# Altium PCB higgs.PcbDoc (part 5 of 25)
Units mm, origin at the board's own origin, x right, y up, seen from the top; angles counter-clockwise.
Board outline 160 x 160 mm, 15 copper layers (TOP, P1(GND), S1(V), P2(GND), S2(H), P3(GND), S3(V12/V2V5), S4(VDDR), P4(GND), S5(V), P5(GND), S6(H), P6(GND), P1(GND) (Plane1), BOT), stack 3.262 mm thick; 1283 components, 2419 nets, 11066 pads, 5487 vias.
Unrouted connection lines stored in the file: 239.
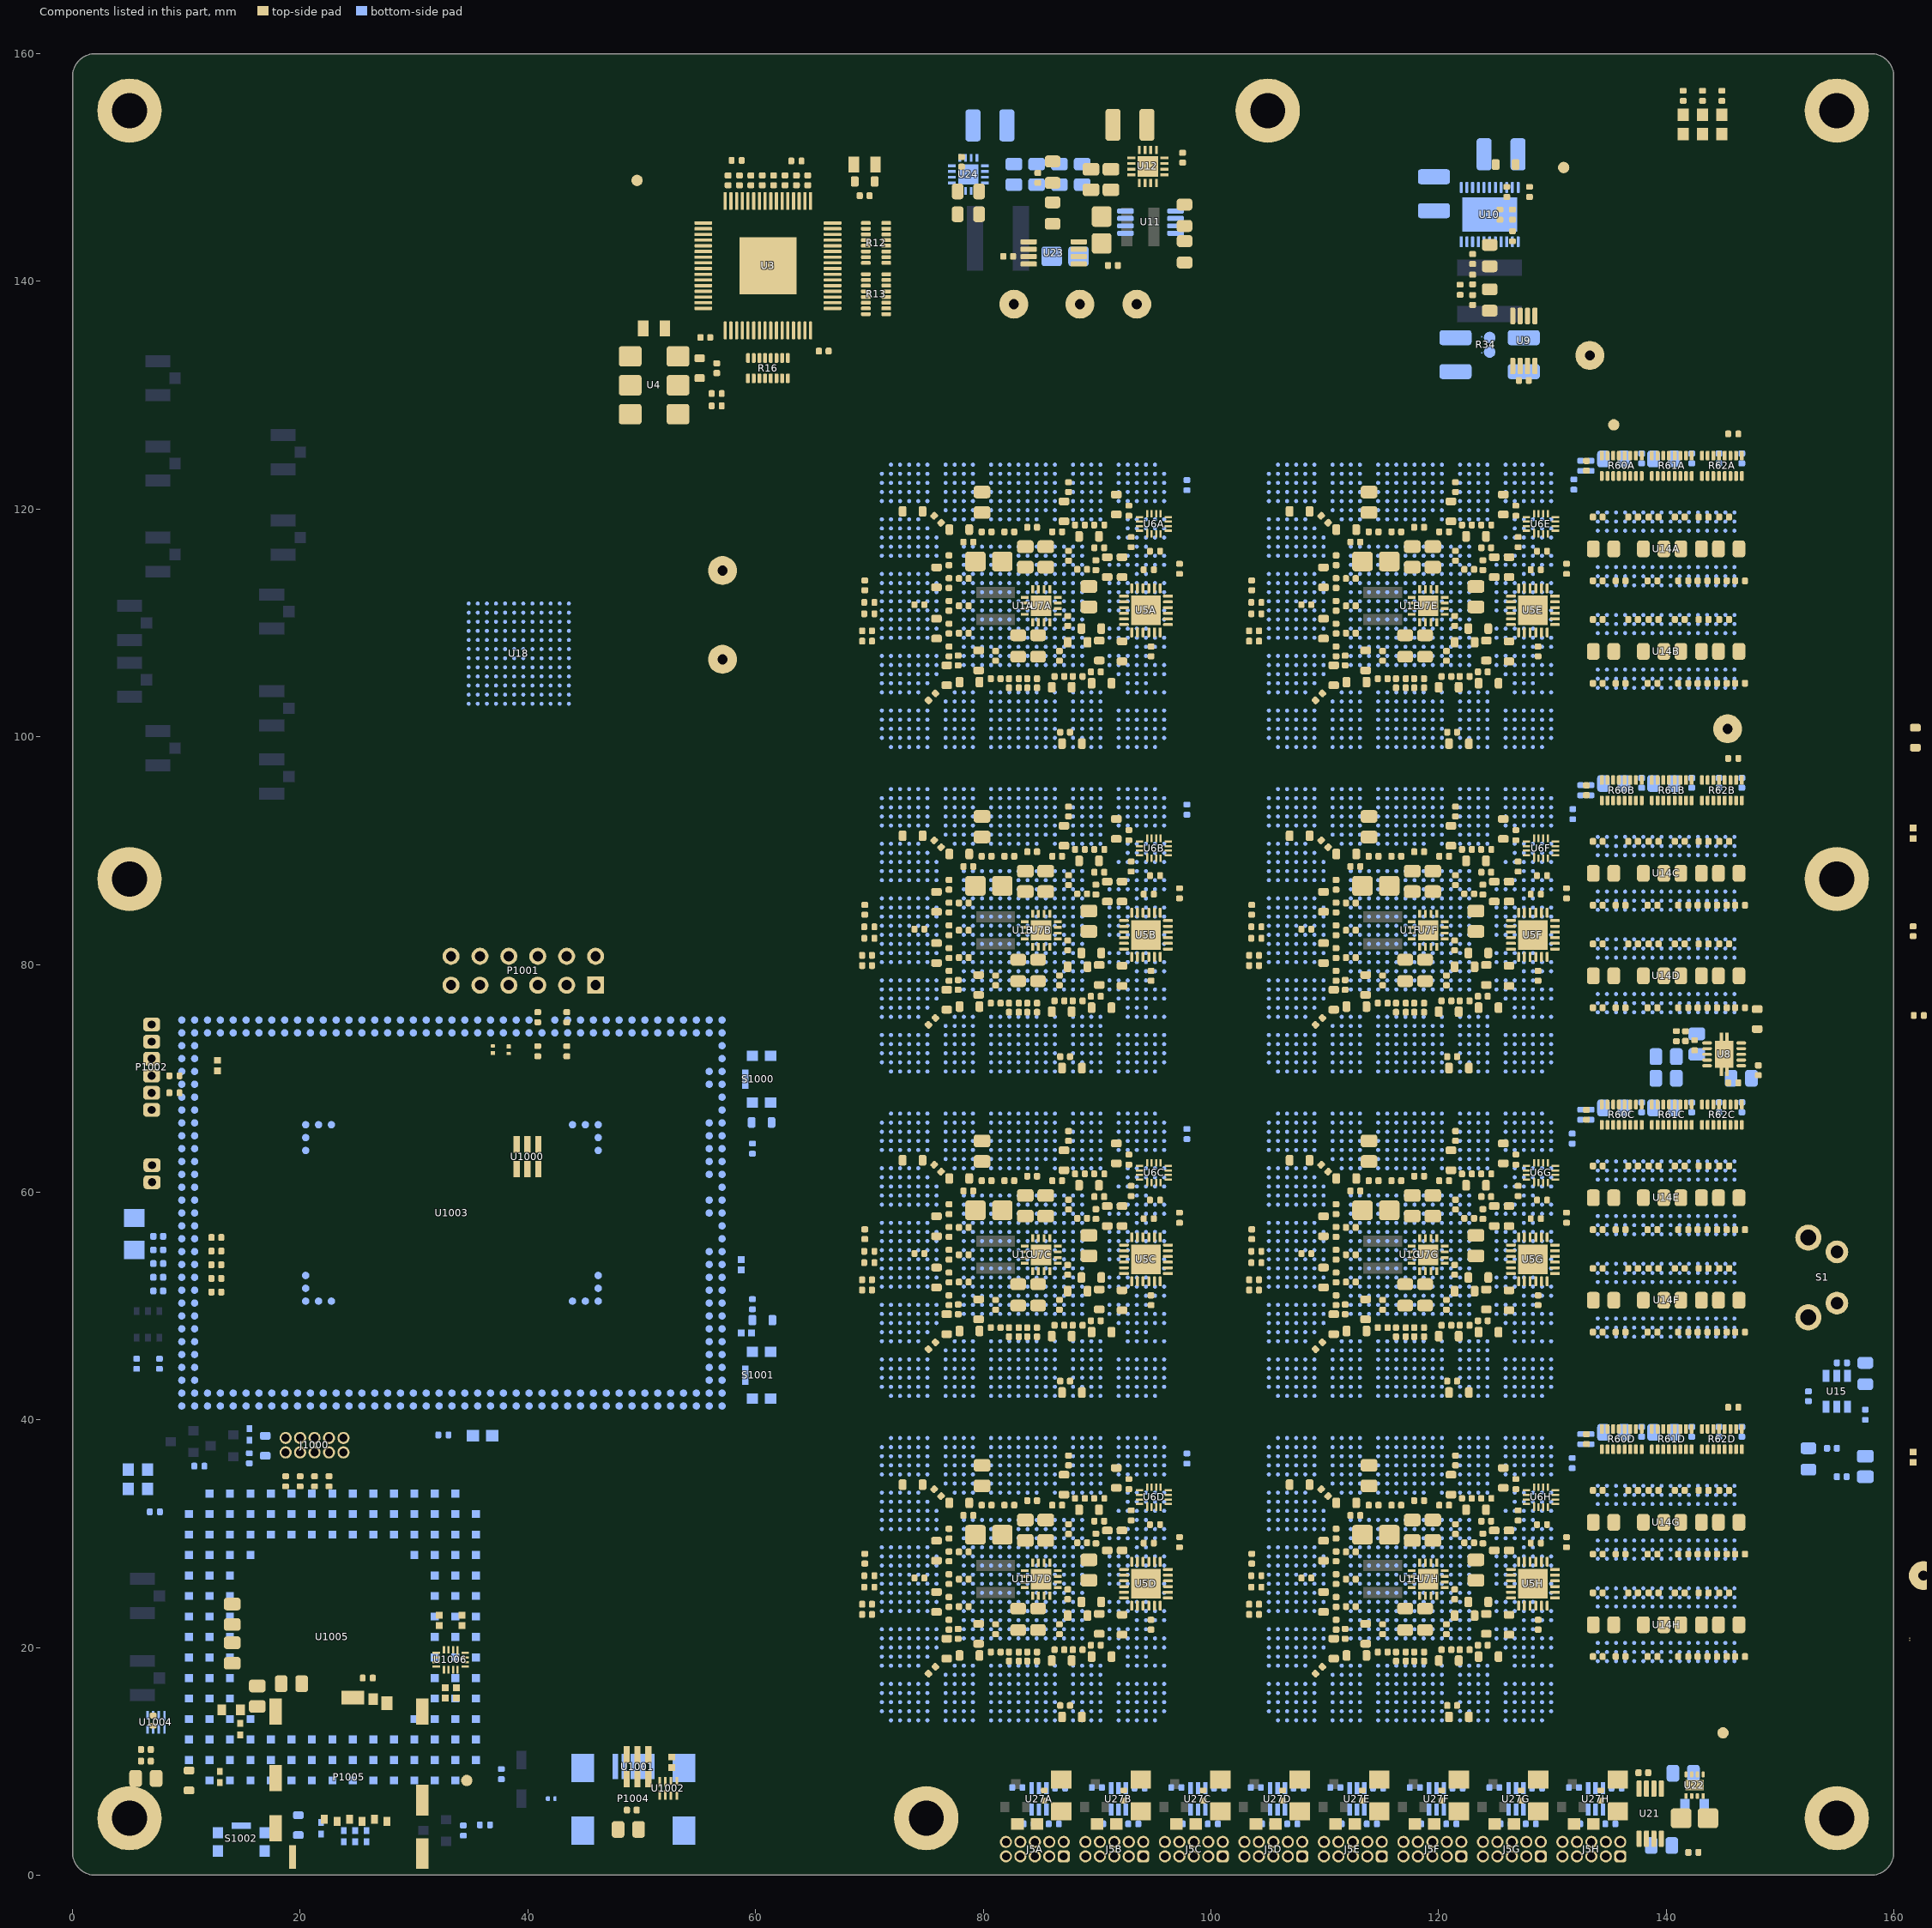
[diagram p18: the components of this part, seen from the top]

## Components (designator, comment, footprint, x,y, rotation, side; value= is the part's Value field where it differs from the comment) (continued)
R122A "ERJ-2RKF20R0X" RESC1005X40N 95.1,116.3 r180 top value=20 (schematic designator R122)
R122B "ERJ-2RKF20R0X" RESC1005X40N 95.1,87.8 r180 top value=20 (schematic designator R122)
R122C "ERJ-2RKF20R0X" RESC1005X40N 95.1,59.3 r180 top value=20 (schematic designator R122)
R122D "ERJ-2RKF20R0X" RESC1005X40N 95.1,30.8 r180 top value=20 (schematic designator R122)
R122E "ERJ-2RKF20R0X" RESC1005X40N 129.1,116.3 r180 top value=20 (schematic designator R122)
R122F "ERJ-2RKF20R0X" RESC1005X40N 129.1,87.8 r180 top value=20 (schematic designator R122)
R122G "ERJ-2RKF20R0X" RESC1005X40N 129.1,59.3 r180 top value=20 (schematic designator R122)
R122H "ERJ-2RKF20R0X" RESC1005X40N 129.1,30.8 r180 top value=20 (schematic designator R122)
R123 "ERJ-2RKF4701X" RESC1005X40N 148.9,-6 r0 bottom value=4.7k
R123A "ERJ-2RKF1004X" RESC1005X40N 86.205,4.5 r180 bottom value=1M (schematic designator R123)
R123B "ERJ-2RKF1004X" RESC1005X40N 93.19,4.5 r180 bottom value=1M (schematic designator R123)
R123C "ERJ-2RKF1004X" RESC1005X40N 100.175,4.5 r180 bottom value=1M (schematic designator R123)
R123D "ERJ-2RKF1004X" RESC1005X40N 107.16,4.5 r180 bottom value=1M (schematic designator R123)
R123E "ERJ-2RKF1004X" RESC1005X40N 114.145,4.5 r180 bottom value=1M (schematic designator R123)
R123F "ERJ-2RKF1004X" RESC1005X40N 121.13,4.5 r180 bottom value=1M (schematic designator R123)
R123G "ERJ-2RKF1004X" RESC1005X40N 128.115,4.5 r180 bottom value=1M (schematic designator R123)
R123H "ERJ-2RKF1004X" RESC1005X40N 135.1,4.5 r180 bottom value=1M (schematic designator R123)
R124 "ERJ-2RKF4701X" RESC1005X40N 142.4,2 r180 top value=4.7k
R124A "ERJ-2RKF1004X" RESC1005X40N 84.005,4.5 r180 bottom value=1M (schematic designator R124)
R124B "ERJ-2RKF1004X" RESC1005X40N 90.99,4.5 r180 bottom value=1M (schematic designator R124)
R124C "ERJ-2RKF1004X" RESC1005X40N 97.975,4.5 r180 bottom value=1M (schematic designator R124)
R124D "ERJ-2RKF1004X" RESC1005X40N 104.96,4.5 r180 bottom value=1M (schematic designator R124)
R124E "ERJ-2RKF1004X" RESC1005X40N 111.945,4.5 r180 bottom value=1M (schematic designator R124)
R124F "ERJ-2RKF1004X" RESC1005X40N 118.93,4.5 r180 bottom value=1M (schematic designator R124)
R124G "ERJ-2RKF1004X" RESC1005X40N 125.915,4.5 r180 bottom value=1M (schematic designator R124)
R124H "ERJ-2RKF1004X" RESC1005X40N 132.9,4.5 r180 bottom value=1M (schematic designator R124)
R125A "ERJ-2RKF20R0X" RESC1005X40N 97.9,122.1 r270 bottom value=20 (schematic designator R125)
R125B "ERJ-2RKF20R0X" RESC1005X40N 97.9,93.6 r270 bottom value=20 (schematic designator R125)
R125C "ERJ-2RKF20R0X" RESC1005X40N 97.9,65.1 r270 bottom value=20 (schematic designator R125)
R125D "ERJ-2RKF20R0X" RESC1005X40N 97.9,36.6 r270 bottom value=20 (schematic designator R125)
R125E "ERJ-2RKF20R0X" RESC1005X40N 131.9,122.155 r270 bottom value=20 (schematic designator R125)
R125F "ERJ-2RKF20R0X" RESC1005X40N 131.8,93.2 r270 bottom value=20 (schematic designator R125)
R125G "ERJ-2RKF20R0X" RESC1005X40N 131.755,64.7 r270 bottom value=20 (schematic designator R125)
R125H "ERJ-2RKF20R0X" RESC1005X40N 131.755,36.2 r270 bottom value=20 (schematic designator R125)
R1000 "ERJ-2RKF4702X" RESC1005X40N 59.729,63.819 r270 bottom value=47k
R1001 "ERJ-2RKF4702X" RESC1005X40N 59.73,50.153 r90 bottom value=47k
R1002 "ERJ-2RKF1001X" RESC1005X40N 18.72,34.595 r270 top value=1k
R1003 "ERJ-2RKF1001X" RESC1005X40N 19.99,34.595 r270 top value=1k
R1004 "ERJ-2RKF20R0X" 0402#1 58.729,53.619 r270 bottom value=20
R1005 "ERJ-2RKF20R0X" 0402#1 59.199,47.613 r180 bottom value=20
R1006 "ERJ-2RKF1001X" RESC1005X40N 21.26,34.595 r270 top value=1k
R1007 "ERJ-2RKF1001X" RESC1005X40N 22.53,34.595 r270 top value=1k
R1008 "ERJ-2RKF2400X" RESC1005X40N 43.42,72.379 r90 top value=240
R1009 "ERJ-2RKF2400X" RESC1005X40N 43.42,75.365 r270 top value=240
R1010 "ERJ-2RKF2400X" RESC1005X40N 40.869,72.379 r90 top value=240
R1011 "ERJ-2RKF2400X" RESC1005X40N 40.869,75.365 r270 top value=240
R1012 "ERJ-2RKF2400X" RESC1005X40N 8.949,68.719 r0 top value=240
R1013 "ERJ-2RKF2400X" RESC1005X40N 8.949,70.219 r0 top value=240
R1014 "ERJ-2RKF4701X" RESC1005X40N 37.667,8.878 r90 bottom value=4.7k
R1015 "ERJ-2RKF20R0X" 0402#1 52.629,9.919 r90 top value=20
R1016 "ERJ-2RKF4702X" RESC1005X40N 25.929,17.319 r180 top value=47k
R1017 "ERJ-2RKF1002X" RESC1005X40N 7.629,44.919 r270 bottom value=10k
R1018 "ERJ-2RKF1002X" RESC1005X40N 5.629,44.919 r270 bottom value=10k
R1019 "ERJ-2RKF2400X" RESC1005X40N 32.579,38.669 r180 bottom value=240
R1020 "ERJ-2RKF4701X" RESC1005X40N 7.076,13.577 r270 top value=4.7k
R1021 "ERJ-2RKF20R0X" 0402#1 12.729,71.119 r90 top value=20
R1022 "ERJ-2RKF4702X" RESC1005X40N 7.229,31.919 r0 bottom value=47k
R1023 "ERJ-2RKF20R0X" 0402#1 33.729,16.019 r270 top value=20
R1024 "ERJ-2RKF20R0X" 0402#1 34.229,22.374 r270 top value=20
R1025 "ERJ-2RKF20R0X" 0402#1 32.729,16.019 r270 top value=20
R1026 "ERJ-2RKF20R0X" 0402#1 32.229,22.374 r270 top value=20
R1027 "ERJ-2RKF1002X" RESC1005X40N 36.229,4.419 r0 bottom value=10k
R1028 "ERJ-2RKF4702X" RESC1005X40N 34.329,3.919 r90 bottom value=47k
R1029 "ERJ-2RKF2400X" RESC1005X40N 11.14,35.929 r0 bottom value=240
R1030 "ERJ-2RKF2400X" RESC1005X40N 15.529,36.619 r270 bottom value=240
R? "ERJ-2RKF1432X" RESC1005X40N 162.199,75.517 r0 top value=14.3k
S1 "EVQ-PF006K" EVQ-PF006K 155,52.5 r270 bottom
S1000 "KMR421GULCLFS" SW_KMR421GULCLFS 60.529,69.919 r270 bottom
S1001 "KMR421GULCLFS" SW_KMR421GULCLFS 60.529,43.919 r270 bottom
S1002 "KMR421GULCLFS" SW_KMR421GULCLFS 14.829,2.919 r180 bottom
SL1000 "SOLDER_LINK" SOLDERLINK0603X26N 38.318,72.505 r90 top value=Unbridged
SL1001 "SOLDER_LINK" SOLDERLINK0603X26N 36.921,72.505 r270 top value=Unbridged
SL1002 "SOLDER_LINK_BRIDGED" SOLDERLINK0603X26N_BRIDGED 42.049,6.719 r180 bottom value=Bridged
T1 "TCM1-63AX+" TCM1-63AX+ -17.5,139.781 r90 bottom
T2 "TCM1-63AX+" TCM1-63AX+ -17.5,114.281 r90 bottom
T3 "TCM1-63AX+" TCM1-63AX+ -17.5,88.781 r90 bottom
T4 "TCM1-63AX+" TCM1-63AX+ -17.5,63.281 r90 bottom
T5 "TCM1-63AX+" TCM1-63AX+ -17.5,38.381 r90 bottom
T6 "TCM1-63AX+" TCM1-63AX+ -17.5,12.881 r90 bottom
T7 "TCM1-63AX+" TCM1-63AX+ -7.6,184.081 r90 bottom
T8 "TCM1-63AX+" TCM1-63AX+ -7.6,140.781 r90 bottom
T9 "TCM1-63AX+" TCM1-63AX+ -7.6,86.481 r90 bottom
T10 "TCM1-63AX+" TCM1-63AX+ -7.6,42.581 r90 bottom
TP10 "5000" TEST_POINT 93.5,138 r0 bottom
TP11 "5000" TEST_POINT 88.5,138 r0 bottom
TP12 "5000" TEST_POINT 133.3,133.5 r0 bottom
TP14 "5000" TEST_POINT 176.899,26.317 r90 top
TP15 "5000" TEST_POINT 145.4,100.7 r0 bottom
TP16 "5000" TEST_POINT 82.7,138 r0 bottom
TP17 "5000" TEST_POINT 57.1,114.6 r0 bottom
TP18 "5000" TEST_POINT 57.1,106.8 r0 bottom
TP19 "5000" TEST_POINT 162.599,26.317 r90 top
TP1000 "TEST_POINT_SMD_10" TEST_POINT_SMD_10 34.629,8.319 r180 top
U1A "LFE5U_-85F-_BG756_" caBGA756 83.5,111.5 r270 bottom locked (schematic designator U1)
U1B "LFE5U_-85F-_BG756_" caBGA756 83.5,83 r270 bottom locked (schematic designator U1)
U1C "LFE5U_-85F-_BG756_" caBGA756 83.5,54.5 r270 bottom locked (schematic designator U1)
U1D "LFE5U_-85F-_BG756_" caBGA756 83.5,26 r270 bottom locked (schematic designator U1)
U1E "LFE5U_-85F-_BG756_" caBGA756 117.5,111.5 r270 bottom locked (schematic designator U1)
U1F "LFE5U_-85F-_BG756_" caBGA756 117.5,83 r270 bottom locked (schematic designator U1)
U1G "LFE5U_-85F-_BG756_" caBGA756 117.5,54.5 r270 bottom locked (schematic designator U1)
U1H "LFE5U_-85F-_BG756_" caBGA756 117.5,26 r270 bottom locked (schematic designator U1)
U2A "SE2623L" SE2623L 1115.687,1160.705 r0 top (schematic designator U2)
U2B "SE2623L" SE2623L 203.999,81.917 r0 top (schematic designator U2)
U3 "SY89467UHY" QFP65P50_1200X1200X120L60X22T500N 61.09,141.376 r180 top locked
U4 "XUP736125.000JU6I" OSCSC6P254_735X505X140L110X140 51.09,130.876 r270 top value=125MHz
U5A "MAX8688AHETG+" QFN25P50_400X400X80L40X24T260N 94.3,111.1 r0 top locked (schematic designator U5)
U5B "MAX8688AHETG+" QFN25P50_400X400X80L40X24T260N 94.3,82.6 r0 top locked (schematic designator U5)
U5C "MAX8688AHETG+" QFN25P50_400X400X80L40X24T260N 94.3,54.1 r0 top locked (schematic designator U5)
U5D "MAX8688AHETG+" QFN25P50_400X400X80L40X24T260N 94.3,25.6 r0 top locked (schematic designator U5)
U5E "MAX8688AHETG+" QFN25P50_400X400X80L40X24T260N 128.3,111.1 r0 top locked (schematic designator U5)
U5F "MAX8688AHETG+" QFN25P50_400X400X80L40X24T260N 128.3,82.6 r0 top locked (schematic designator U5)
U5G "MAX8688AHETG+" QFN25P50_400X400X80L40X24T260N 128.3,54.1 r0 top locked (schematic designator U5)
U5H "MAX8688AHETG+" QFN25P50_400X400X80L40X24T260N 128.3,25.6 r0 top locked (schematic designator U5)
U6A "SN74AVC4T774RSVR" RSV#1 95,118.7 r0 top (schematic designator U6)
U6B "SN74AVC4T774RSVR" RSV#1 95,90.2 r0 top (schematic designator U6)
U6C "SN74AVC4T774RSVR" RSV#1 95,61.7 r0 top (schematic designator U6)
U6D "SN74AVC4T774RSVR" RSV#1 95,33.2 r0 top (schematic designator U6)
U6E "SN74AVC4T774RSVR" RSV#1 129,118.7 r0 top (schematic designator U6)
U6F "SN74AVC4T774RSVR" RSV#1 129,90.2 r0 top (schematic designator U6)
U6G "SN74AVC4T774RSVR" RSV#1 129,61.7 r0 top (schematic designator U6)
U6H "SN74AVC4T774RSVR" RSV#1 129,33.2 r0 top (schematic designator U6)
U7A "TPS62130RGT" S-PQFP-8N_NOVIA 85.1,111.5 r0 top (schematic designator U7)
U7B "TPS62130RGT" S-PQFP-8N_NOVIA 85.1,83 r0 top (schematic designator U7)
U7C "TPS62130RGT" S-PQFP-8N_NOVIA 85.1,54.5 r0 top (schematic designator U7)
U7D "TPS62130RGT" S-PQFP-8N_NOVIA 85.1,26 r0 top (schematic designator U7)
U7E "TPS62130RGT" S-PQFP-8N_NOVIA 119.1,111.5 r0 top (schematic designator U7)
U7F "TPS62130RGT" S-PQFP-8N_NOVIA 119.1,83 r0 top (schematic designator U7)
U7G "TPS62130RGT" S-PQFP-8N_NOVIA 119.1,54.5 r0 top (schematic designator U7)
U7H "TPS62130RGT" S-PQFP-8N_NOVIA 119.1,26 r0 top (schematic designator U7)
U8 "TPS51200DRC" DRC 145.1,72.1 r270 top
U9 "INA284AIDGK" S-PDSO-G8 127.5,134.765 r0 top
U10 "TPS53353DQP" DQP 124.5,145.865 r180 bottom
U11 "INA283AIDGK" S-PDSO-G8 94.7,145.2 r270 bottom
U12 "TPS62130RGT" S-PQFP-8N 94.47,150.102 r90 top
U13A "SE5004L" SE5004L 1115.687,1160.705 r0 top (schematic designator U13)
U13B "SE5004L" SE5004L 172.299,90.117 r0 top (schematic designator U13)
U14A "MT41K256M16TW-107:P" MT41K256M16TW-107:P 140,116.5 r270 bottom locked (schematic designator U14)
U14B "MT41K256M16TW-107:P" MT41K256M16TW-107:P 140,107.5 r270 bottom locked (schematic designator U14)
U14C "MT41K256M16TW-107:P" MT41K256M16TW-107:P 140,88 r270 bottom locked (schematic designator U14)
U14D "MT41K256M16TW-107:P" MT41K256M16TW-107:P 140,79 r270 bottom locked (schematic designator U14)
U14E "MT41K256M16TW-107:P" MT41K256M16TW-107:P 140,59.5 r270 bottom locked (schematic designator U14)
U14F "MT41K256M16TW-107:P" MT41K256M16TW-107:P 140,50.5 r270 bottom locked (schematic designator U14)
U14G "MT41K256M16TW-107:P" MT41K256M16TW-107:P 140,31 r270 bottom locked (schematic designator U14)
U14H "MT41K256M16TW-107:P" MT41K256M16TW-107:P 140,22 r270 bottom locked (schematic designator U14)
U15 "TPS3808G01DBVR" DBV-6 155,42.5 r180 bottom
U16A "SLG59M611V" DFN200X150X80-8N 1115.687,1160.705 r0 top (schematic designator U16)
U16B "SLG59M611V" DFN200X150X80-8N 279.099,100.117 r90 top (schematic designator U16)
U17A "MMG3006NT1" QFN65P400X400X90-17N 1115.687,1160.705 r0 top (schematic designator U17)
U17B "MMG3006NT1" QFN65P400X400X90-17N 215.399,98.817 r0 top (schematic designator U17)
U18 "AD9361BBCZ" BGA144C80P12X12_1000X1000X170_AD9361BBCZ(Primary) 39.2,107.3 r180 bottom
U19 "SKY13453-385LF" SKY13453-385LF -5.2,114.681 r0 bottom
U20 "SKY13453-385LF" SKY13453-385LF -5.2,15.681 r0 bottom
U21 "INA283AIDGK" S-PDSO-G8 138.6,5.4 r180 top
U22 "TPS62163DSG" DSG 142.5,7.9 r270 top
U23 "INA284AIDGK" S-PDSO-G8 86.2,142.5 r90 top
U24 "TPS62130RGT" S-PQFP-8N 78.7,149.4 r90 bottom locked
U27A "SN74LVC2G17DCK" DCK-6 84.905,6.7 r90 bottom (schematic designator U27)
U27B "SN74LVC2G17DCK" DCK-6 91.89,6.7 r90 bottom (schematic designator U27)
U27C "SN74LVC2G17DCK" DCK-6 98.875,6.7 r90 bottom (schematic designator U27)
U27D "SN74LVC2G17DCK" DCK-6 105.86,6.7 r90 bottom (schematic designator U27)
U27E "SN74LVC2G17DCK" DCK-6 112.845,6.7 r90 bottom (schematic designator U27)
U27F "SN74LVC2G17DCK" DCK-6 119.83,6.7 r90 bottom (schematic designator U27)
U27G "SN74LVC2G17DCK" DCK-6 126.815,6.7 r90 bottom (schematic designator U27)
U27H "SN74LVC2G17DCK" DCK-6 133.8,6.7 r90 bottom (schematic designator U27)
U1000 "NUP4301MR6" SOT23-6 39.969,63.107 r180 top
U1001 "NUP4301MR6" SOT23-6 49.629,9.519 r180 top
U1002 "SLG59M611V" DFN200X150X80-8N 52.329,7.619 r270 top
U1003 "ARTIK_710_LGA_PAD" ARTIK_LGA_PAD_10 33.329,58.169 r180 bottom locked
U1004 "SLG59M611V" DFN200X150X80-8N 7.329,13.419 r270 bottom
U1005 "LE910NAG703T701" LGA144S180P15X15_2820X2820X225_LE910NAG703T701(Primary) 22.829,20.919 r270 bottom locked
U1006 "SN74AVC4T774RSVR" RSV#2 33.229,18.919 r180 top

## Footprints (in the part's own frame and the unit in brackets; to place one, negate y for a bottom-side part, rotate by r counter-clockwise, add the part's x,y. Pads: shape width x height; smd on the part's side, far side on the other; paste and mask are expansions set on the pad)
0402#1 [mm] "SMD; Body 1 x 0.5 mm (LxW typ)"
  rect 0.59x0.6 smd: 1(-0.455,0) 2(0.455,0)
  body extent -0.5,-0.25 0.5,0.25, height 0.6
0402#2 [mm] "Chip Capacitor, Body 1.0x0.5mm, IPC High Density"
  rect 0.6x0.5 smd: 1(-0.5,0) 2(0.5,0)
  body extent -0.55,-0.3 0.55,0.3, height 1.3
0603 [mm] "SMD; Body 1.6 x 0.9 mm (LxW typ)"
  rect 0.79x0.93 smd: 1(-0.82,0) 2(0.82,0)
  body extent -0.8,-0.4 0.8,0.4, height 0.9
0603_LED [mm] "SMD; Body 1.6 x 0.9 mm (LxW typ)"
  rect 1.1x1 smd: 1(-0.85,0) 2(0.85,0)
  body extent -0.8,-0.4 0.8,0.4, height 0.9
0805 [mm] "SMD; Body 2 x 1.2 mm (LxW typ)"
  rect 0.92x1.38 smd: 1(-0.955,0) 2(0.955,0)
  body extent -1,-0.63 1,0.63, height 1.2
1206 [mm] "SMD; Body 3.1 x 1.6 mm (LxW typ)"
  rect 1.6x1.8 smd: 1(-1.4,0) 2(1.4,0)
  body extent -1.63,-0.79 1.57,0.81, height 1
504520-0691 [mm] "micro-SIM Card Connector"
  rect 0.6x0.8 smd: C1(2.155,0) C2(-0.045,0) C3(-2.245,0) C5(1.055,0.2) C6(-1.145,0.2) C7(-3.345,0.2)
  rect 1x1.2 smd: DETECT_LEVER(-3.33,-10.18)
  rect 0.8x1 smd: DETECT_SWITCH(-2.13,-10.55)
  rect 0.6x2.1 smd: P1(4.96,3.32)
  rect 1.1x2.7 smd: P2(-6.45,3.02) P3(-6.45,-1.68)
  rect 1.1x2.3 smd: P4(-6.45,-9.45) P6(6.45,-9.45) P7(6.45,-3.6) P8(6.45,0.8)
  rect 2x1.2 smd: P5(-0.33,-10.68)
  TOP keep-out region: -2.552,-6.67 -0.965,-6.67 -0.965,-9.337 -2.552,-9.337
  TOP keep-out region: -1.747,3.58 0.555,3.58 0.555,1.071 -1.747,1.071
  TOP keep-out region: -1.746,-3.126 0.555,-3.126 0.555,-5.638 -1.746,-5.638
  TOP keep-out region: 3.082,1.9 5.13,1.9 5.13,-8.516 3.082,-8.516
  TOP keep-out region: -5.5,0 -3.92,0 -3.92,-3.4 -5.5,-3.4
  TOP keep-out region: 0.797,3.58 3.4,3.58 3.4,1.073 0.797,1.073
  TOP keep-out region: 3.087,4.28 4.3,4.28 4.3,1.9 3.087,1.9
  TOP keep-out region: 0.796,-3.126 3.08,-3.126 3.08,-5.646 0.796,-5.646
  TOP keep-out region: -3.922,3.58 -1.985,3.58 -1.985,1.07 -3.922,1.07
  TOP keep-out region: -6.136,1.3 -3.92,1.3 -3.92,0 -6.136,0
  TOP keep-out region: -5.5,4.28 -3.92,4.28 -3.92,1.3 -5.5,1.3
  TOP keep-out region: -3.931,-3.126 -1.985,-3.126 -1.985,-5.652 -3.931,-5.652
  TOP keep-out region: -6.133,-3.4 -3.92,-3.4 -3.92,-7.9 -6.133,-7.9
  TOP keep-out region: -5.6,-7.9 -3.92,-7.9 -3.92,-8.511 -5.6,-8.511
  TOP keep-out region: 4.6,-0.98 5.675,-0.98 5.675,-5.44 4.6,-5.44
  TOP keep-out region: -3.555,-7.99 -2.545,-7.99 -2.545,-9.335 -3.555,-9.335
  silkscreen extent -6.7,-10.35 6.7,-3.35, body extent -6.7,-10.85 6.7,4.25, height 1.23
651305142821 [mm] "Right Angle SMT USB Type-AB Connector Receptacle"
  rect 0.5x2.25 smd: 1(-1.6,0.125) 2(-0.8,0.125) 3(0,0.125) 4(0.8,0.125) 5(1.6,0.125)
  rect 2x2.5 smd: SHELL(-4.45,0) SHELL1(4.45,0) SHELL2(4.45,-5.5) SHELL3(-4.45,-5.5)
  silkscreen extent -3.85,-3.9 3.85,1.84, body extent -4.95,-8.44 4.95,0.96, height 4
ARTIK_LGA_PAD_10 [mm] "ARTIK_710_LGA_PAD_REV03"
  round 0.65 smd: PA1(-23.73,16.95) PA2(-22.6,16.95) PA3(-21.47,16.95) PA4(-20.34,16.95) PA5(-19.21,16.95) PA6(-18.08,16.95) PA7(-16.95,16.95) PA8(-15.82,16.95) PA9(-14.69,16.95) PA10(-13.56,16.95) PA11(-12.43,16.95) PA12(-11.3,16.95) PA13(-10.17,16.95) PA14(-9.04,16.95) PA16(-6.78,16.95) PA17(-5.65,16.95) PA18(-4.52,16.95) PA19(-3.39,16.95) PA20(-2.26,16.95) PA21(-1.13,16.95) PA22(0,16.95) PA23(1.13,16.95) PA24(2.26,16.95) PA25(3.39,16.95) PA26(4.52,16.95) PA27(5.65,16.95) PA28(6.78,16.95) PA29(7.91,16.95) PA30(9.04,16.95) PA31(10.17,16.95) PA32(11.3,16.95) PA33(12.43,16.95) PA34(13.56,16.95) PA35(14.69,16.95) PA36(15.82,16.95) PA37(16.95,16.95) PA38(18.08,16.95) PA39(19.21,16.95) PA40(20.34,16.95) PA41(21.47,16.95) PA42(22.6,16.95) PA43(23.73,16.95) PAA1(-23.73,-5.65) PAA2(-22.6,-5.65) PAA42(22.6,-5.65) PAA43(23.73,-5.65) PAB1(-23.73,-6.78) PAB2(-22.6,-6.78) PAB42(22.6,-6.78) PAB43(23.73,-6.78) PAC1(-23.73,-7.91) PAC2(-22.6,-7.91) PAC42(22.6,-7.91) PAC43(23.73,-7.91) PAD1(-23.73,-9.04) PAD2(-22.6,-9.04) PAD42(22.6,-9.04) PAD43(23.73,-9.04) PAE1(-23.73,-10.17) PAE2(-22.6,-10.17) PAE42(22.6,-10.17) PAE43(23.73,-10.17) PAF1(-23.73,-11.3) PAF2(-22.6,-11.3) PAF42(22.6,-11.3) PAF43(23.73,-11.3) PAG1(-23.73,-12.43) PAG2(-22.6,-12.43) PAG42(22.6,-12.43) PAG43(23.73,-12.43) PAH1(-23.73,-13.56) PAH2(-22.6,-13.56) PAH42(22.6,-13.56) PAH43(23.73,-13.56) PAJ1(-23.73,-14.69) PAJ2(-22.6,-14.69) PAJ42(22.6,-14.69) PAJ43(23.73,-14.69) PAK1(-23.73,-15.82) PAK2(-22.6,-15.82) PAK3(-21.47,-15.82) PAK4(-20.34,-15.82) PAK5(-19.21,-15.82) PAK6(-18.08,-15.82) PAK7(-16.95,-15.82) PAK8(-15.82,-15.82) PAK9(-14.69,-15.82) PAK10(-13.56,-15.82) PAK11(-12.43,-15.82) PAK12(-11.3,-15.82) PAK13(-10.17,-15.82) PAK14(-9.04,-15.82) PAK15(-7.91,-15.82) PAK16(-6.78,-15.82) PAK17(-5.65,-15.82) PAK18(-4.52,-15.82) PAK19(-3.39,-15.82) PAK20(-2.26,-15.82) PAK21(-1.13,-15.82) PAK22(0,-15.82) PAK23(1.13,-15.82) PAK24(2.26,-15.82) PAK25(3.39,-15.82) PAK26(4.52,-15.82) PAK27(5.65,-15.82) PAK28(6.78,-15.82) PAK29(7.91,-15.82) PAK30(9.04,-15.82) PAK31(10.17,-15.82) PAK32(11.3,-15.82) PAK33(12.43,-15.82) PAK34(13.56,-15.82) PAK35(14.69,-15.82) PAK36(15.82,-15.82) PAK37(16.95,-15.82) PAK38(18.08,-15.82) PAK39(19.21,-15.82) PAK40(20.34,-15.82) PAK41(21.47,-15.82) PAK42(22.6,-15.82) PAK43(23.73,-15.82) PAL1(-23.73,-16.95) PAL2(-22.6,-16.95) PAL3(-21.47,-16.95) PAL4(-20.34,-16.95) PAL5(-19.21,-16.95) PAL6(-18.08,-16.95) PAL7(-16.95,-16.95) PAL8(-15.82,-16.95) PAL9(-14.69,-16.95) PAL10(-13.56,-16.95) PAL11(-12.43,-16.95) PAL12(-11.3,-16.95) PAL13(-10.17,-16.95) PAL14(-9.04,-16.95) PAL15(-7.91,-16.95) PAL16(-6.78,-16.95) PAL17(-5.65,-16.95) PAL18(-4.52,-16.95) PAL19(-3.39,-16.95) PAL20(-2.26,-16.95) PAL21(-1.13,-16.95) PAL22(0,-16.95) PAL23(1.13,-16.95) PAL24(2.26,-16.95) PAL25(3.39,-16.95) PAL26(4.52,-16.95) PAL27(5.65,-16.95) PAL28(6.78,-16.95) PAL29(7.91,-16.95) PAL30(9.04,-16.95) PAL31(10.17,-16.95) PAL32(11.3,-16.95) PAL33(12.43,-16.95) PAL34(13.56,-16.95) PAL35(14.69,-16.95) PAL36(15.82,-16.95) PAL37(16.95,-16.95) PAL38(18.08,-16.95) PAL39(19.21,-16.95) PAL40(20.34,-16.95) PAL41(21.47,-16.95) PAL42(22.6,-16.95) PAL43(23.73,-16.95) PB1(-23.73,15.82) PB2(-22.6,15.82) PB3(-21.47,15.82) PB4(-20.34,15.82) PB5(-19.21,15.82) PB6(-18.08,15.82) PB7(-16.95,15.82) PB8(-15.82,15.82) PB9(-14.69,15.82) PB10(-13.56,15.82) PB11(-12.43,15.82) PB12(-11.3,15.82) PB13(-10.17,15.82) PB14(-9.04,15.82) PB15(-7.91,15.82) PB16(-6.78,15.82) PB17(-5.65,15.82) PB18(-4.52,15.82) PB19(-3.39,15.82) PB20(-2.26,15.82) PB21(-1.13,15.82) PB22(0,15.82) PB23(1.13,15.82) PB24(2.26,15.82) PB25(3.39,15.82) PB26(4.52,15.82) PB27(5.65,15.82) PB28(6.78,15.82) PB29(7.91,15.82) PB30(9.04,15.82) PB31(10.17,15.82) PB32(11.3,15.82) PB33(12.43,15.82) PB34(13.56,15.82) PB35(14.69,15.82) PB36(15.82,15.82) PB37(16.95,15.82) PB38(18.08,15.82) PB39(19.21,15.82) PB40(20.34,15.82) PB41(21.47,15.82) PB42(22.6,15.82) PB43(23.73,15.82) PC1(-23.73,14.69) PC42(22.6,14.69) PC43(23.73,14.69) PD1(-23.73,13.56) PD42(22.6,13.56) PD43(23.73,13.56) PE1(-23.73,12.43) PE2(-22.6,12.43) PE42(22.6,12.43) PE43(23.73,12.43) PF1(-23.73,11.3) PF2(-22.6,11.3) PF42(22.6,11.3) PF43(23.73,11.3) PG1(-23.73,10.17) PG42(22.6,10.17) PG43(23.73,10.17) PH1(-23.73,9.04) PH42(22.6,9.04) PH43(23.73,9.04) PJ1(-23.73,7.91) PJ2(-22.6,7.91) PJ42(22.6,7.91) PJ43(23.73,7.91) PK1(-23.73,6.78) PK2(-22.6,6.78) PK42(22.6,6.78) PK43(23.73,6.78) PL1(-23.73,5.65) PL2(-22.6,5.65) PL42(22.6,5.65) PL43(23.73,5.65) PM1(-23.73,4.52) PM2(-22.6,4.52) PM42(22.6,4.52) PM43(23.73,4.52) PN1(-23.73,3.39) PN2(-22.6,3.39) PN42(22.6,3.39) PN43(23.73,3.39) PP1(-23.73,2.26) PP42(22.6,2.26) PP43(23.73,2.26) PR1(-23.73,1.13) PR2(-22.6,1.13) PR42(22.6,1.13) PR43(23.73,1.13) PT1(-23.73,0) PT2(-22.6,0) PT42(22.6,0) PT43(23.73,0) PU1(-23.73,-1.13) PU42(22.6,-1.13) PU43(23.73,-1.13) PV1(-23.73,-2.26) PV42(22.6,-2.26) PV43(23.73,-2.26) PW1(-23.73,-3.39) PW2(-22.6,-3.39) PW42(22.6,-3.39) PW43(23.73,-3.39) PY1(-23.73,-4.52) PY2(-22.6,-4.52) PY42(22.6,-4.52) PY43(23.73,-4.52) TP282(-12.85,7.75) TP283(-11.72,7.75) TP284(-10.59,7.75) TP285(10.59,7.75) TP286(11.72,7.75) TP287(12.85,7.75) TP288(12.85,6.62) TP289(12.85,5.49) TP290(12.85,-5.49) TP291(12.85,-6.62) TP292(12.85,-7.75) TP293(11.72,-7.75) TP294(10.59,-7.75) TP295(-10.59,-7.75) TP296(-11.72,-7.75) TP297(-12.85,-7.75) TP298(-12.85,-6.62) TP299(-12.85,-5.49) TP300(-12.85,5.49) TP301(-12.85,6.62)